# Altium PCB 3d_design_approx.PcbDoc (part 2 of 3)
Units mil, origin at the board's own origin, x right, y up, seen from the top; angles counter-clockwise.
Board outline 6771.68 x 3346.27 mil, 4 copper layers (Top Layer, Mid-Layer 1, Mid-Layer 3, Bottom Layer); 154 components, 242 nets, 874 pads, 288 vias.
Unrouted connection lines stored in the file: 2.
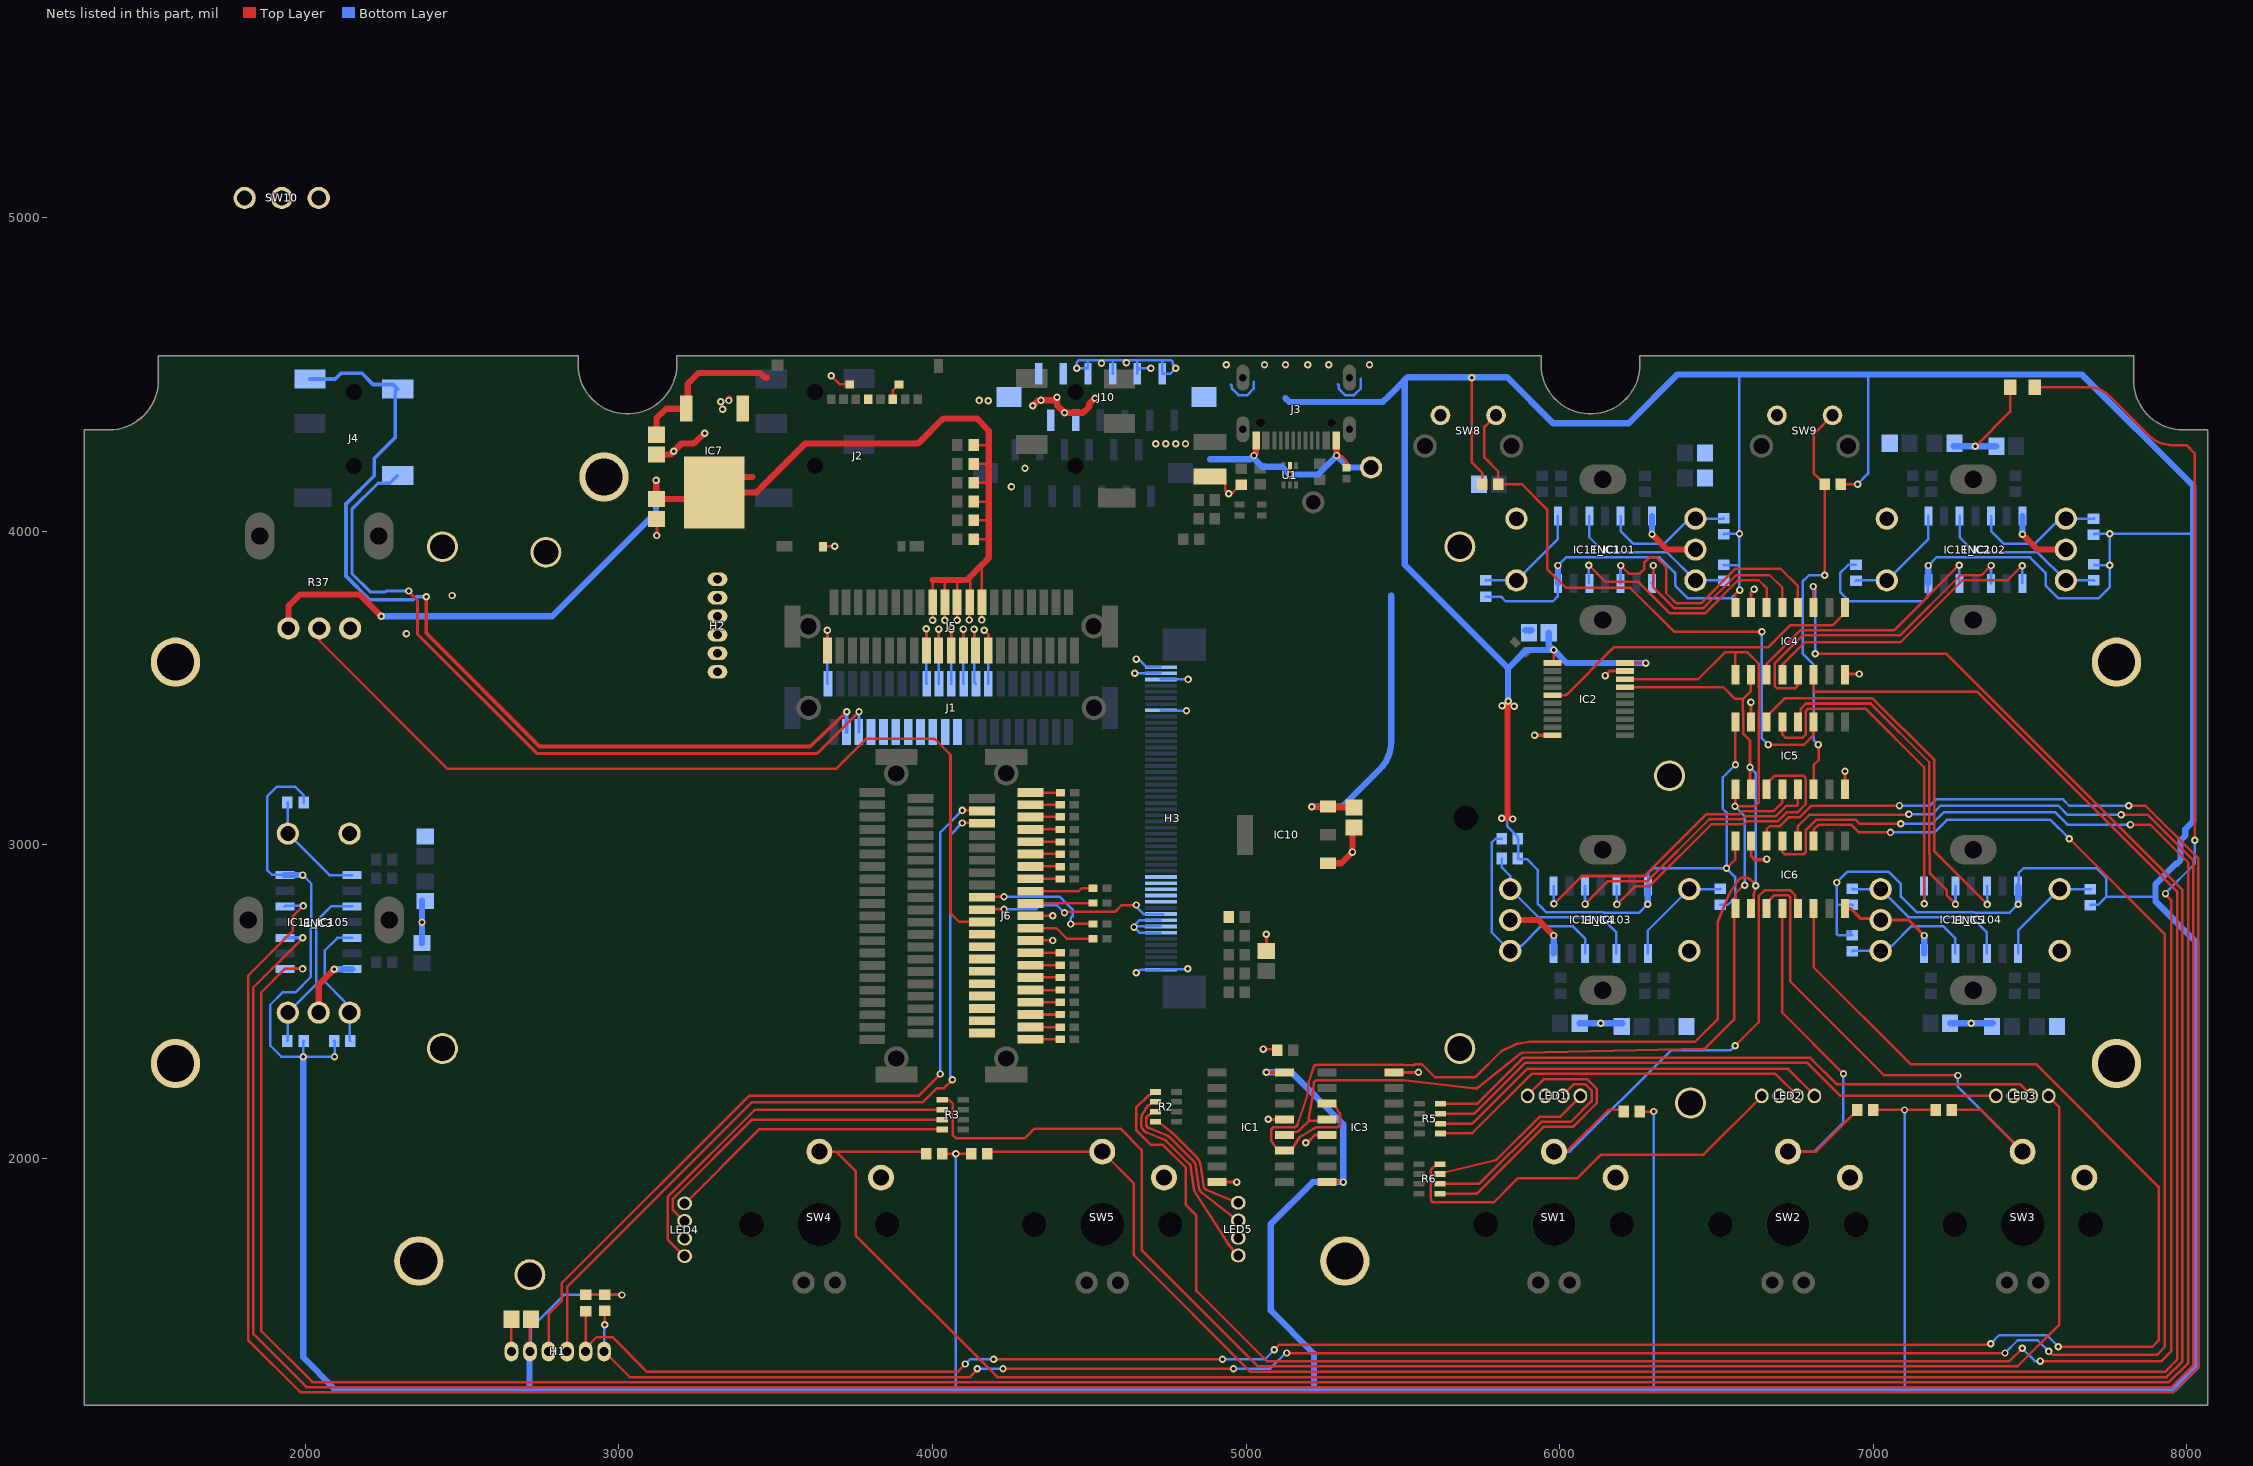
[diagram p2: the nets of this part, all layers, seen from the top]

## Via types
v1: diameter 23.62, hole 11.81, Top Layer to Bottom Layer, tented both sides, 215 vias
v2: diameter 23.62, hole 11.81, Top Layer to Bottom Layer, 73 vias

## Nets (pads, with @x,y where several pads share a name; then routed paths per layer and width w, separated by ;. In a path a pad name is that pad's centre, name@x,y a point inside that pad or via, vN(x,y) a via of type N, cw(c..) or ccw(c..) an arc to the next point about the centre after c; other vN are vias at no path point) (continued)
+5V: C1.2 C5.2 C11.2 C15.2 H1.5 IC1.16 IC2.1 IC2.20 IC3.16 IC4.16 IC5.16 IC6.16 IC7.3 IC10.3 IC11_IC101.14 IC11_IC102.14 IC11_IC103.14 IC11_IC104.14 IC11_IC105.14 J1.26 J1.28 J1.30 J1.32 J1.34 J10.9 J10.10 J10.11 J10.12 J10.14 R7.2 R8.2 R9.2 R10.2 R12.2 R13.2 R14.2 R15.2 R16.2 R22.2 R23.2 R24.2 R25.2 R26.2 R27.2 R28.2 R29.2 R30.2 R31.2 R32.2 R33.2 R34.2 R35.2 R36.2 | length 31593.8
  Top Layer w8: H1.5@2716.89,1385 2716.89,1495.39 C11.2@2721.5,1500 ; R12.2@2895,1565 2896.18,1566.18 R16.2@2955,1566.18 2956.18,1565 v1(3010,1565) ; R8.2@4031.18,2015 v1(4075,2015) R7.2@4124.41,2015 ; v1(5720,4490) 5720,4220 5753.82,4186.18 R10.2@5753.82,4150 ; IC2.1@5977.33,3580.16 5980.92,3583.75 v2(5980.92,3621.71) ; R13.2@6255,2150 v1(6300,2150) ; v1(6532.17,2925.27) 6560,2953.1 IC6.16@6560,3012.28 ; IC5.16@6560,3392.28 6560.63,3391.65 v1(6560.63,3255.9) ; IC4.16@6560,3757.28 6560,3800 6572.62,3812.62 v1(6574.12,3812.62) ; R9.2@6896.18,4150 v1(6950,4150) ; R14.2@7000,2155 v1(7099.7,2155) R15.2@7199.41,2155
  Top Layer w10: IC2.20@6208.67,3580.16 6208.75,3580.08 6274.92,3580.08 v1(6275,3580)
  Top Layer w12: v1(5065,2275) IC1.16@5122.28,2275 ; IC3.16@5257.72,1925 v1(5310,1925)
  Top Layer w20: H1.5@2716.89,1385 H1.5@2719.19,1387.3 ; C5.2@3120,4307.99 3120,4360 3151.26,4391.26 IC7.3@3215.24,4391.26 3220,4396.02 3220,4470 3255,4505 3450,4505 3458.69,4496.31 ; v1(3351,4417) 3353,4419 v1@3353,4423 ; 3472.83,4490.45 cw(c3472.83,4510.45) 3458.72,4496.28 ; v1(4320.15,4400.5) 4337.06,4417.41 4345.61,4417.41 v1(4346.3,4418.1) 4387.18,4418.1 4396.42,4427.34 v1(4397.4,4427.34) 4397.4,4401.81 v1(4421.26,4377.95) 4480.31,4377.95 4500.11,4397.75 4500.11,4406.17 v2(4518.39,4424.45) ; v1(5209.24,3122.2) 5209.32,3122.28 5261.05,3122.28 IC10.3@5261.13,3122.36 5262.96,3120.53 5342.41,3120.53 C15.2@5344.24,3118.7 ; v1@5814.63,3444.14 5816.01,3444.14 v1(5816.47,3443.68) ; 5834.11,3082.68 5834.11,3455.66 5835.7,3457.26 v1(5835.7,3458.24) ; v1(5854.64,3442.3) 5855.56,3441.38 v1@5856.94,3441.38 ; 3458.69,4496.31 3458.72,4496.28
  Bottom Layer w8: IC11_IC105.14@1935.28,2903.95 1934.18,2905.05 1893.66,2905.05 1878.66,2920.05 1878.66,3155.05 1908.66,3185.05 1968.66,3185.05 1994.84,3158.87 R34.2@1994.84,3135.05 ; v1(1992.56,2903.95) 2019.47,2877.03 2019.47,2763.49 2018.37,2762.38 2018.37,2579.76 1968.66,2530.05 1928.35,2530.05 1888.66,2490.36 1888.66,2360.05 1923.66,2325.05 v1(1993.66,2325.05) ; R28.2@1994.84,2375.05 1993.66,2373.87 v1(1993.66,2325.05) ; R31.2@2092.48,2375.05 2093.66,2373.87 v1(2093.66,2325.05) v1(1993.66,2325.05) ; H1.5@2716.89,1385 2720,1388.11 2720,1460 2825,1565 v1(3010,1565) ; 4075,1265 v1(4075,2015) ; R26.2@5764.57,3792.15 5764.72,3792 5813,3792 5827.86,3777.14 5978.37,3777.14 5993.37,3792.14 5993.37,3832.65 IC11_IC101.14@5994.48,3833.75 ; v2(5814.96,3084.82) 5816.03,3083.75 5832.68,3083.75 ; v2(5850.39,3082.68) 5849.32,3083.75 5832.68,3083.75 ; R32.2@5866.14,3019.68 5866.14,3023.29 ccw(c5858.14,3023.29) 5863.81,3028.93 5835.01,3057.74 cw(c5840.68,3063.38) 5832.68,3063.38 5832.68,3083.75 ; R32.2@5868.11,3019.68 5868.11,2958.66 R29.2@5866.14,2956.69 5868.11,2954.72 5895.67,2954.72 5929.44,2920.95 5929.44,2812.99 5956.72,2785.72 6139.35,2785.72 6140.6,2784.46 6254.15,2784.46 v1(6281.06,2811.37) ; v1(5994.48,3891.03) 6021.39,3917.95 6134.94,3917.95 6136.04,3916.84 6318.66,3916.84 6368.37,3867.14 6368.37,3826.82 6408.06,3787.14 6547.14,3787.14 6572.62,3812.62 v1(6574.12,3812.62) ; IC11_IC103.14@6281.06,2868.65 6282.17,2869.76 6282.17,2910.27 6297.17,2925.27 v1(6532.17,2925.27) ; 6300,1265 v1(6300,2150) ; R35.2@6512.17,2809.09 6535.98,2809.09 6559.19,2832.29 6559.19,2898.25 v1(6532.17,2925.27) ; R22.2@6523.37,3893.32 6524.55,3892.14 6573.37,3892.14 ; R24.2@6523.37,3990.95 6524.55,3992.14 v1(6573.37,3992.14) ; v1(6560.63,3255.9) 6545.54,3240.81 6539.81,3235.08 6520,3215.27 6520,3115 6532.17,3102.83 v1(6532.17,2925.27) ; v1@6573.37,3813.37 6573.37,3892.14 ; 6575,4500 6573.37,4498.37 v1(6573.37,3992.14) ; R33.2@6930.5,2724.18 6919.18,2724.18 6918.87,2723.87 6920.84,2723.87 R33.2@6933.27,2711.45 6891.26,2711.45 cw(c6891.3,2719.45) 6885.6,2713.83 cw(c6891.27,2719.48) 6883.27,2719.48 6883.27,2810 ; R30.2@6935,2807.36 R30.2@6933.27,2809.09 6932.36,2810 6883.27,2810 ; R27.2@6944.48,3893.32 6920.66,3893.32 6894.48,3867.14 6894.48,3807.14 6924.48,3777.14 7159.48,3777.14 7174.48,3792.14 7174.48,3832.65 IC11_IC102.14@7175.58,3833.75 ; v1(6950,4150) 6982.2,4182.2 ccw(c6976.54,4187.86) 6984.54,4187.86 6984.54,4500 ; v1(7099.7,2155) 7099.7,1265.3 7100,1265 ; v1(7175.58,3891.03) 7202.49,3917.95 7316.04,3917.95 7317.14,3916.84 7499.77,3916.84 7549.48,3867.14 7549.48,3826.82 7589.16,3787.14 7719.48,3787.14 7754.48,3822.14 v1(7754.48,3892.14) ; v1(7462.17,2811.37) 7435.25,2784.46 7321.71,2784.46 7320.6,2785.56 7137.98,2785.56 7088.27,2835.27 7088.27,2875.58 7048.58,2915.27 6918.27,2915.27 v1(6883.27,2880.27) 6883.27,2810 ; IC11_IC104.14@7462.17,2868.65 7463.27,2869.76 7463.27,2910.27 7478.27,2925.27 7713.27,2925.27 7743.27,2895.27 7743.27,2835.27 ; R36.2@7693.27,2809.09 7717.09,2809.09 7743.27,2835.27 ; R23.2@7704.48,3893.32 7705.66,3892.14 v1(7754.48,3892.14) ; R25.2@7704.48,3990.95 7705.66,3992.14 v1(7754.48,3992.14) ; 7900,2835 7899.73,2835.27 7743.27,2835.27 ; 8020,3995 8017.14,3992.14 v1(7754.48,3992.14) ; 6573.37,3892.14 v1(6573.37,3992.14) ; v1(7754.48,3892.14) v1(7754.48,3992.14)
  Bottom Layer w20: IC11_IC105.14@1935.28,2903.95 v1(1992.56,2903.95) ; v1(1993.66,2325.05) 1993.66,1366.34 2095,1265 2715,1265 ; H1.5@2716.89,1385 2715,1383.11 2715,1265 ; v1(5065,2275) 5145,2275 5310,2110 v1(5310,1925) 5212.4,1925 5078.74,1791.34 5078.74,1515.75 5216.54,1377.95 5216.54,1265 ; 5125.98,4424.66 5137.98,4412.66 5436.36,4412.66 5454.55,4430.85 5493.12,4469.42 5506.52,4482.81 ; v1(5209.24,3122.2) 5299.17,3122.2 ccw(c5299.17,3142.2) 5313.28,3128.02 5426.32,3241.07 ccw(c5338.58,3328.81) 5426.36,3241.11 ccw(c5338.58,3328.81) 5462.67,3328.84 5462.67,3328.9 5462.67,3795.49 ; v1(5835.7,3458.24) 5835.7,3563.88 ; C1.2@5965.24,3677 5965.24,3637.4 v2(5980.92,3621.71) ; IC11_IC101.14@5994.48,3833.75 v1(5994.48,3891.03) ; v1(6275,3580) 6022.63,3580 v2(5980.92,3621.71) ; v1(6281.06,2811.37) IC11_IC103.14@6281.06,2868.65 ; IC11_IC102.14@7175.58,3833.75 v1(7175.58,3891.03) ; v1(7462.17,2811.37) IC11_IC104.14@7462.17,2868.65 ; 2715,1265 4075,1265 5216.54,1265 ; 5216.54,1265 5315,1265 6300,1265 7100,1265 7960,1265 8030,1335 8030,2690 7900,2820 7900,2835 7900,2875 7965,2940 7968.28,2940 7980,2951.72 7980,3014.99 7995,3029.99 7995,3050 8020,3075 8020,3995 8020,4145 7665,4500 6984.54,4500 6575,4500 6375,4500 6220,4345 5978.71,4345 5832.41,4491.3 5720,4491.3 5515,4491.3 5506.52,4482.81 ; 5506.52,4482.81 5506.52,3893.07 5767.32,3632.26 5835.7,3563.88 ; 5835.7,3563.88 5893.53,3621.71 v2(5980.92,3621.71)
  other v1: 3331,4389 3325,4413
+MCU: C4.2 IC7.4 J2.4 J5.18 J5.20 J5.22 J5.24 J5.26 R37.1 R38.2 R39.2 R50.2 R51.2 R52.2 R53.2 | length 4525.3
  Top Layer w8: 4000,3845 4000.88,3844.12 J5.18@4000.88,3774.25 ; v1(4000.63,3716.54) J5.18@4000.63,3773.99 ; v1(4039.63,3716.54) J5.20@4039.63,3773.99 ; J5.20@4039.88,3774.25 4039.88,3844.88 4040,3845 ; 4075,3845 4078.88,3841.12 J5.22@4078.88,3774.25 ; v1(4078.63,3716.54) J5.22@4078.63,3773.99 ; v1(4117.28,3717.13) 4117.28,3772.64 J5.24@4118.63,3773.99 ; 4117.5,3852.5 4120,3850 4120,3845 4120,3795 4118.88,3793.88 J5.24@4118.88,3774.25 ; R50.2@4131.18,3975 4177.5,3975 4180,3972.5 ; R39.2@4131.18,4035 4175,4035 4180,4030 ; R38.2@4131.18,4095 4175,4095 4180,4090 ; R53.2@4131.18,4155 4175,4155 4180,4150 ; R52.2@4131.18,4215 4180,4215 ; R51.2@4131.18,4275 4175,4275 4180,4270 ; v1(4157.63,3717.57) J5.26@4157.63,3773.99 ; J5.26@4157.88,3774.25 4157.88,3892.88 4160,3895
  Top Layer w20: R37.1@1946.58,3690.43 1946.58,3761.57 1983.89,3798.89 2172.76,3798.89 v1(2242.54,3729.12) ; v1(3119.01,4162.79) 3119.5,4162.29 3119.5,4103.49 C4.2@3120,4102.99 3284.45,4102.99 IC7.4@3305,4123.54 ; 3425.2,4173.23 3354.68,4173.23 IC7.4@3305,4123.54 ; 4000,3845 4040,3845 4075,3845 4110,3845 4117.5,3852.5 4157.88,3892.88 ; 4160,3895 4180,3915 4180,3972.5 4180,4030 4180,4090 4180,4150 4180,4215 4180,4270 4180,4320.88 4180,4320.97 4141.05,4359.92 4141,4359.92 ccw(c4140.91,4339.92) 4140.91,4359.92 4042.88,4359.92 ccw(c4042.88,4339.92) 4028.78,4354.1 3960.5,4285.82 cw(c3946.4,4300) 3946.4,4280 3595,4280 3467.5,4152.5 3438.54,4123.54 IC7.4@3305,4123.54
  Bottom Layer w20: v1(2242.54,3729.12) 2787.47,3729.12 3119.01,4060.65 v1(3119.01,4162.79)
_A_ENC1: ENC1.A IC11_IC101.3 R22.1 | length 553.7
  Bottom Layer w8: IC11_IC101.3@6094.48,4048.32 6094.48,3981.03 6142.37,3933.14 6343.24,3933.14 ENC1.A@6433.04,3843.33 6522.18,3843.33 R22.1@6523.37,3842.14
_A_ENC2: ENC2.A IC11_IC102.3 R23.1 | length 553.7
  Bottom Layer w8: IC11_IC102.3@7275.58,4048.32 7275.58,3981.03 7323.48,3933.14 7524.34,3933.14 ENC2.A@7614.14,3843.33 R23.1@7703.28,3843.33 R23.1@7704.48,3842.14
_A_ENC3: ENC4.A IC11_IC103.3 R29.1 | length 571.2
  Bottom Layer w8: R29.1@5814.96,2956.69 5814.96,2929.13 5842.5,2901.59 ENC4.A@5842.5,2859.76 ; ENC4.A@5842.5,2859.07 5931.86,2769.72 6132.72,2769.72 6181.06,2721.37 IC11_IC103.3@6181.06,2654.09
_A_ENC4: ENC5.A IC11_IC104.3 R30.1 | length 553.7
  Bottom Layer w8: R30.1@6933.27,2860.27 6934.47,2859.07 ENC5.A@7023.6,2859.07 7113.4,2769.27 7314.27,2769.27 7362.17,2721.37 IC11_IC104.3@7362.17,2654.09
_A_ENC5: ENC3.A IC11_IC105.3 R28.1 | length 553.7
  Bottom Layer w8: R28.1@1943.66,2375.05 1944.86,2376.25 ENC3.A@1944.86,2465.38 2034.66,2555.18 2034.66,2756.05 2082.56,2803.95 IC11_IC105.3@2149.84,2803.95
_B_ENC1: ENC1.B IC11_IC101.5 R24.1 | length 426.3
  Bottom Layer w8: IC11_IC101.5@6194.48,4048.32 6194.48,4001.03 6234.48,3961.03 6334.48,3961.03 6397.79,4024.35 6400.19,4024.35 6416.03,4040.18 ENC1.B@6433.04,4040.18 6521.42,4040.18 R24.1@6523.37,4042.14
_B_ENC2: ENC2.B IC11_IC102.5 R25.1 | length 426.3
  Bottom Layer w8: IC11_IC102.5@7375.58,4048.32 7375.58,4001.03 7415.58,3961.03 7515.58,3961.03 7578.89,4024.35 7581.3,4024.35 7597.13,4040.18 ENC2.B@7614.14,4040.18 R25.1@7702.52,4040.18 R25.1@7704.48,4042.14
_B_ENC3: ENC4.B IC11_IC103.5 R32.1 | length 741.7
  Bottom Layer w8: R32.1@5814.96,3019.68 5795.28,3019.68 5783.46,3007.87 5783.46,2721.26 ENC4.B@5842.5,2662.22 5859.51,2662.22 5875.34,2678.05 5877.75,2678.05 5941.06,2741.37 6041.06,2741.37 6081.06,2701.37 IC11_IC103.5@6081.06,2654.09
_B_ENC4: ENC5.B IC11_IC104.5 R33.1 | length 426.3
  Bottom Layer w8: R33.1@6933.27,2660.27 6935.22,2662.22 ENC5.B@7023.6,2662.22 7040.61,2662.22 7056.45,2678.05 7058.85,2678.05 7122.17,2741.37 7222.17,2741.37 7262.17,2701.37 IC11_IC104.5@7262.17,2654.09
_B_ENC5: ENC3.B IC11_IC105.5 R31.1 | length 426.3
  Bottom Layer w8: R31.1@2143.66,2375.05 2141.71,2377 ENC3.B@2141.71,2465.38 2141.71,2482.39 2125.88,2498.23 2125.88,2500.63 2062.56,2563.95 2062.56,2663.95 2102.56,2703.95 IC11_IC105.5@2149.84,2703.95
_BTN_1: ENC1.1 IC11_IC101.1 R26.1 | length 358.2
  Bottom Layer w8: R26.1@5763.97,3842.73 R26.1@5764.57,3843.33 ENC1.1@5862.18,3843.33 5994.48,3975.63 IC11_IC101.1@5994.48,4048.32
_BTN_2: ENC2.1 IC11_IC102.1 R27.1 | length 359.1
  Bottom Layer w8: R27.1@6944.48,3842.14 6945.67,3843.33 ENC2.1@7043.28,3843.33 7175.58,3975.63 IC11_IC102.1@7175.58,4048.32
_BTN_3: ENC4.1 IC11_IC103.1 R35.1 | length 359.1
  Bottom Layer w8: IC11_IC103.1@6281.06,2654.09 6281.06,2726.78 ENC4.1@6413.36,2859.07 6510.97,2859.07 R35.1@6512.17,2860.27
_BTN_4: ENC5.1 IC11_IC104.1 R36.1 | length 359.1
  Bottom Layer w8: IC11_IC104.1@7462.17,2654.09 7462.17,2726.78 ENC5.1@7594.46,2859.07 R36.1@7692.07,2859.07 R36.1@7693.27,2860.27
_BTN_5: ENC3.1 IC11_IC105.1 R34.1 | length 359.1
  Bottom Layer w8: R34.1@1943.66,3135.05 1944.86,3133.85 ENC3.1@1944.86,3036.24 2077.16,2903.95 IC11_IC105.1@2149.84,2903.95
A_ENC1: IC4.12 IC11_IC101.10 | length 912.4
  Top Layer w8: v1(6194.48,3891.03) 6220.29,3865.22 6255.17,3865.22 6270.29,3880.34 6270.29,3901 6286.13,3916.84 6309.43,3916.84 6340,3886.28 6340,3802.63 6372.1,3770.52 6450.27,3770.52 6559.75,3880 6705,3880 6760,3825 IC4.12@6760,3757.28
  Bottom Layer w10: IC11_IC101.10@6194.48,3833.75 v1(6194.48,3891.03)
A_ENC2: IC4.5 IC11_IC102.10 | length 1063.7
  Top Layer w8: IC4.5@6760,3542.72 6760,3508.2 6752,3500.2 6692.23,3500.2 6685.2,3507.23 6685.2,3578.2 6775.01,3668 7085.37,3668 7277.37,3860 7344.54,3860 v1(7375.58,3891.03)
  Bottom Layer w10: IC11_IC102.10@7375.58,3833.75 v1(7375.58,3891.03)
A_ENC3: IC5.5 IC11_IC103.10 | length 916.2
  Top Layer w8: v1(6081.06,2811.53) 6154.54,2885 6280,2885 6477.02,3082.02 6582.02,3082.02 6592.05,3092.05 6689.42,3092.05 6721.8,3124.42 6755.31,3124.42 6760,3129.11 IC5.5@6760,3177.72
  Bottom Layer w10: v1(6081.06,2811.53) IC11_IC103.10@6081.06,2868.65
A_ENC4: IC5.12 IC11_IC104.10 | length 1084
  Top Layer w8: IC5.12@6760,3392.28 6768.8,3401.08 6768.8,3433.98 6785.81,3451 6991.37,3451 7178.63,3263.74 7178.63,2972.8 7179.89,2971.54 7179.89,2910.11 7234.59,2855.41 7234.59,2838.95 v1(7262.17,2811.37)
  Bottom Layer w10: v1(7262.17,2811.37) IC11_IC104.10@7262.17,2868.65
A_ENC5: IC6.12 IC11_IC105.10 | length 10688.6
  Top Layer w8: v1(1992.56,2703.95) 1835,2546.38 1835,1440 2004,1271 7950.2,1271 8021,1341.8 8021,2949.87 7874.15,3096.72 v1(7790.17,3096.72) ; IC6.12@6760,3012.28 6760,3060 6795.91,3095.91 7112.18,3095.91 v1(7113.73,3097.45)
  Bottom Layer w8: v1@7114.09,3097.09 v1(7113.73,3097.45) 7187.45,3097.45 7215,3125 7590,3125 7618.28,3096.72 v1(7790.17,3096.72)
  Bottom Layer w10: IC11_IC105.10@1935.28,2703.95 v1(1992.56,2703.95)
ADC1: J6.20 R37.2 | length 2897.4
  Top Layer w8: R37.2@2045,3690.43 2045.85,3689.58 2045.85,3651 2454.17,3242.68 3692.82,3242.68 3788,3337.86 4003.83,3337.86 cw(c4003.83,3329.86) 4009.48,3335.52 4055.39,3289.61 cw(c4049.73,3283.96) 4057.73,3283.96 4057.73,2785.59 ccw(c4065.73,2785.59) 4060.07,2779.93 4085.63,2754.37 J6.20@4158.47,2754.37
ADC2: J6.18
ADC3: J6.16
ADC4: J6.14
ADC5: J6.12
ADC6: J6.10
ADC7: J6.8
ADC8: J6.6
ADC9: J6.4
ADC10: J6.2
AUDIO_NRST: SW10.1
B_ENC1: IC4.13 IC11_IC101.8 | length 690.7
  Top Layer w8: v1(6298.74,3891.03) 6298.74,3821.26 6355,3765 6365.48,3754.52 6456.9,3754.52 6467.37,3765 6562.37,3860 6670,3860 6710,3820 IC4.13@6710,3757.28
  Bottom Layer w8: IC11_IC101.8@6294.48,3833.75 6298.74,3838.02 v1(6298.74,3891.03)
B_ENC2: IC4.4 IC11_IC102.8 | length 984.5
  Top Layer w8: IC4.4@6710,3542.72 6710,3575 6781,3646 7086,3646 7284,3844 7428.54,3844 7436.68,3852.14 v1(7474.83,3890.28)
  Bottom Layer w8: v1(7474.83,3890.28) 7474.83,3834.5 IC11_IC102.8@7475.58,3833.75
B_ENC3: IC5.4 IC11_IC103.8 | length 961.3
  Top Layer w8: v1(5981.81,2812.12) 6070.69,2901 6271,2901 6468.02,3098.02 6573.02,3098.02 6583.05,3108.05 6682.79,3108.05 6710,3135.25 IC5.4@6710,3177.72
  Bottom Layer w8: IC11_IC103.8@5981.06,2868.65 5981.81,2867.9 v1(5981.81,2812.12)
B_ENC4: IC5.13 IC11_IC104.8 | length 1149.3
  Top Layer w8: IC5.13@6710,3392.28 6710,3351.79 6719.39,3342.41 6774.97,3342.41 6785,3352.43 6785,3427.56 6792.44,3435 6975,3435 7162.63,3247.37 7162.63,2966.17 7162.92,2965.89 v1(7162.92,2812.12)
  Bottom Layer w8: IC11_IC104.8@7162.17,2868.65 7162.92,2867.9 v1(7162.92,2812.12)
B_ENC5: IC6.13 IC11_IC105.8 | length 10641.6
  Top Layer w8: v1(1991.81,2604.7) 1934.7,2604.7 1860,2530 1860,1450 2023,1287 7943.57,1287 8005,1348.43 8005,2943.24 7883.24,3065 v1(7820,3065) ; IC6.13@6710,3012.28 6710,2977.77 6718,2969.77 6777.77,2969.77 6785.2,2977.21 6785.2,3047.77 6817.35,3079.91 6944.33,3079.91 6956.75,3067.48 v1(7087.96,3067.48)
  Bottom Layer w8: IC11_IC105.8@1935.28,2603.95 1936.03,2604.7 v1(1991.81,2604.7) ; v1@7089.2,3066.24 v1(7087.96,3067.48) 7187.48,3067.48 7225,3105 7580,3105 7620,3065 v1(7820,3065)
BTN_1: IC4.14 IC11_IC101.12 | length 805.6
  Top Layer w8: v1(6092.85,3892.14) 6144.99,3840 6250,3840 6351.48,3738.52 6463.52,3738.52 6569,3844 6635,3844 6660,3819 IC4.14@6660,3757.28
  Bottom Layer w8: v1(6092.85,3892.14) 6092.85,3835.37 IC11_IC101.12@6094.48,3833.75
BTN_2: IC4.3 IC11_IC102.12 | length 838
  Top Layer w8: IC4.3@6660,3542.72 6660,3577.23 6766.77,3684 7065.82,3684 v1(7273.96,3892.14)
  Bottom Layer w8: v1(7273.96,3892.14) 7273.96,3835.37 IC11_IC102.12@7275.58,3833.75
BTN_3: IC5.3 IC11_IC103.12 | length 1032.5
  Top Layer w8: v1(6182.69,2810.27) 6241.42,2869 6286.63,2869 6483.65,3066.02 6588.65,3066.02 6598.68,3076.05 6696.05,3076.05 6725,3105 6759.75,3105 6784.8,3130.05 6784.8,3213.2 6777.77,3220.23 6684.8,3220.23 6660,3195.43 IC5.3@6660,3177.72